# KiCad board element_foxtrot.kicad_pcb (continued)
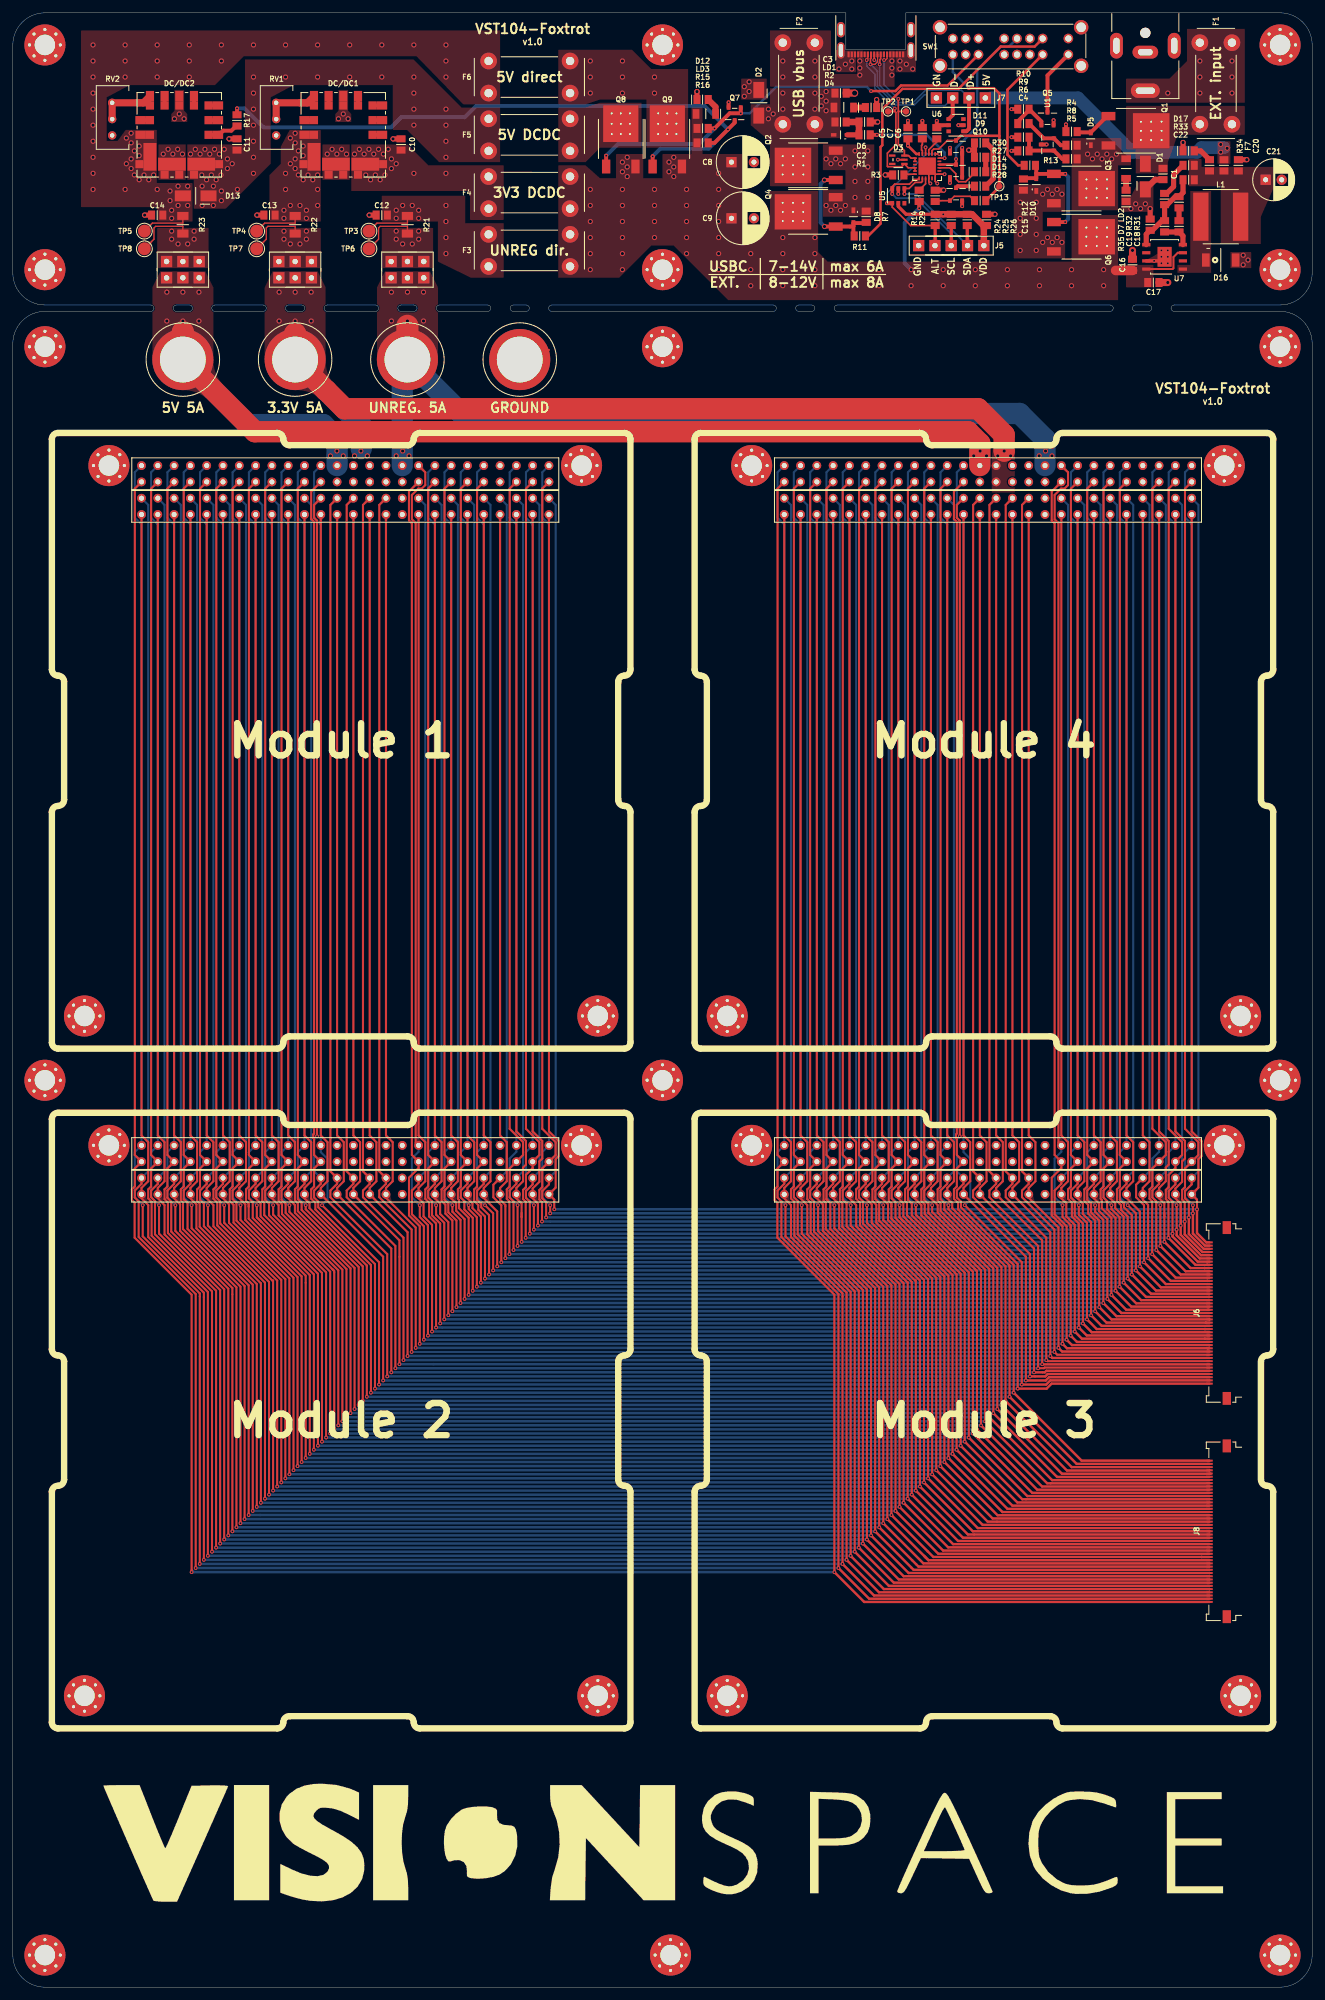
[diagram p0: board, top side]
## Copper pours and planes (outline as drawn; the poured copper is in the pictures) (continued)
/H2-42 on Bottom: 70.08,130.1 70.15,130.16 70.21,130.22 70.29,130.27 70.36,130.31 70.43,130.34 70.51,130.37 70.59,130.4 70.68,130.41 70.76,130.42 70.85,130.42 71.1,131.35 70.17,131.1 70.17,131.01 70.16,130.93 70.15,130.84 70.12,130.76 70.09,130.68 70.06,130.61 70.02,130.54 69.97,130.46 69.91,130.4 69.85,130.33
/H2-42 on Bottom: 170.86,132.36 170.86,132.27 170.85,132.18 170.84,132.1 170.81,132.02 170.78,131.94 170.75,131.86 170.71,131.79 170.66,131.72 170.61,131.66 170.55,131.59 171.03,130.76 171.5,131.59 171.44,131.66 171.39,131.72 171.34,131.79 171.3,131.86 171.27,131.94 171.24,132.02 171.21,132.1 171.2,132.18 171.19,132.27 171.19,132.36
/H2-42 on Bottom: 170.25,235.98 170.32,236.04 170.38,236.1 170.46,236.15 170.53,236.19 170.6,236.22 170.68,236.25 170.76,236.28 170.85,236.29 170.93,236.3 171.02,236.3 171.27,237.23 170.34,236.98 170.34,236.89 170.33,236.81 170.32,236.72 170.29,236.64 170.26,236.56 170.23,236.49 170.19,236.42 170.14,236.34 170.08,236.28 170.02,236.21
/H2-42 on Bottom: 170.25,130.1 170.32,130.16 170.38,130.22 170.46,130.27 170.53,130.31 170.6,130.34 170.68,130.37 170.76,130.4 170.85,130.41 170.93,130.42 171.02,130.42 171.27,131.35 170.34,131.1 170.34,131.01 170.33,130.93 170.32,130.84 170.29,130.76 170.26,130.68 170.23,130.61 170.19,130.54 170.14,130.46 170.08,130.4 170.02,130.33
/H2-43 on Top: 72.62,127.56 72.69,127.62 72.75,127.68 72.83,127.73 72.9,127.77 72.97,127.8 73.05,127.83 73.13,127.86 73.22,127.87 73.3,127.88 73.39,127.88 73.64,128.81 72.71,128.56 72.71,128.47 72.7,128.39 72.69,128.3 72.66,128.22 72.63,128.14 72.6,128.07 72.56,128 72.51,127.92 72.45,127.86 72.39,127.79
/H2-43 on Top: 72.62,233.44 72.69,233.5 72.75,233.56 72.83,233.61 72.9,233.65 72.97,233.68 73.05,233.71 73.13,233.74 73.22,233.75 73.3,233.76 73.39,233.76 73.64,234.69 72.71,234.44 72.71,234.35 72.7,234.27 72.69,234.18 72.66,234.1 72.63,234.02 72.6,233.95 72.56,233.88 72.51,233.8 72.45,233.74 72.39,233.67
/H2-43 on Top: 72.39,129.34 72.45,129.27 72.51,129.21 72.56,129.13 72.6,129.06 72.63,128.99 72.66,128.91 72.69,128.83 72.7,128.74 72.71,128.66 72.71,128.57 73.64,128.32 73.39,129.25 73.3,129.25 73.22,129.26 73.13,129.27 73.05,129.3 72.97,129.33 72.9,129.36 72.83,129.4 72.75,129.45 72.69,129.51 72.62,129.57
/H2-43 on Top: 172.79,127.56 172.86,127.62 172.92,127.68 173,127.73 173.07,127.77 173.14,127.8 173.22,127.83 173.3,127.86 173.39,127.87 173.47,127.88 173.56,127.88 173.81,128.81 172.88,128.56 172.88,128.47 172.87,128.39 172.86,128.3 172.83,128.22 172.8,128.14 172.77,128.07 172.73,128 172.68,127.92 172.62,127.86 172.56,127.79
/H2-43 on Top: 172.79,233.44 172.86,233.5 172.92,233.56 173,233.61 173.07,233.65 173.14,233.68 173.22,233.71 173.3,233.74 173.39,233.75 173.47,233.76 173.56,233.76 173.81,234.69 172.88,234.44 172.88,234.35 172.87,234.27 172.86,234.18 172.83,234.1 172.8,234.02 172.77,233.95 172.73,233.88 172.68,233.8 172.62,233.74 172.56,233.67
/H2-43 on Top: 172.56,129.34 172.62,129.27 172.68,129.21 172.73,129.13 172.77,129.06 172.8,128.99 172.83,128.91 172.86,128.83 172.87,128.74 172.88,128.66 172.88,128.57 173.81,128.32 173.56,129.25 173.47,129.25 173.39,129.26 173.3,129.27 173.22,129.3 173.14,129.33 173.07,129.36 173,129.4 172.92,129.45 172.86,129.51 172.79,129.57
/H2-44 on Bottom: 72.62,130.1 72.69,130.16 72.75,130.22 72.83,130.27 72.9,130.31 72.97,130.34 73.05,130.37 73.13,130.4 73.22,130.41 73.3,130.42 73.39,130.42 73.64,131.35 72.71,131.1 72.71,131.01 72.7,130.93 72.69,130.84 72.66,130.76 72.63,130.68 72.6,130.61 72.56,130.54 72.51,130.46 72.45,130.4 72.39,130.33
/H2-44 on Bottom: 72.62,235.98 72.69,236.04 72.75,236.1 72.83,236.15 72.9,236.19 72.97,236.22 73.05,236.25 73.13,236.28 73.22,236.29 73.3,236.3 73.39,236.3 73.64,237.23 72.71,236.98 72.71,236.89 72.7,236.81 72.69,236.72 72.66,236.64 72.63,236.56 72.6,236.49 72.56,236.42 72.51,236.34 72.45,236.28 72.39,236.21
/H2-44 on Bottom: 73.23,132.36 73.23,132.27 73.22,132.18 73.21,132.1 73.18,132.02 73.15,131.94 73.12,131.86 73.08,131.79 73.03,131.72 72.98,131.66 72.92,131.59 73.39,130.76 73.87,131.59 73.81,131.66 73.76,131.72 73.71,131.79 73.67,131.86 73.64,131.94 73.61,132.02 73.58,132.1 73.57,132.18 73.56,132.27 73.56,132.36
/H2-44 on Bottom: 172.79,130.1 172.86,130.16 172.92,130.22 173,130.27 173.07,130.31 173.14,130.34 173.22,130.37 173.3,130.4 173.39,130.41 173.47,130.42 173.56,130.42 173.81,131.35 172.88,131.1 172.88,131.01 172.87,130.93 172.86,130.84 172.83,130.76 172.8,130.68 172.77,130.61 172.73,130.54 172.68,130.46 172.62,130.4 172.56,130.33
/H2-44 on Bottom: 172.79,235.98 172.86,236.04 172.92,236.1 173,236.15 173.07,236.19 173.14,236.22 173.22,236.25 173.3,236.28 173.39,236.29 173.47,236.3 173.56,236.3 173.81,237.23 172.88,236.98 172.88,236.89 172.87,236.81 172.86,236.72 172.83,236.64 172.8,236.56 172.77,236.49 172.73,236.42 172.68,236.34 172.62,236.28 172.56,236.21
/H2-44 on Bottom: 173.4,132.36 173.4,132.27 173.39,132.18 173.38,132.1 173.35,132.02 173.32,131.94 173.29,131.86 173.25,131.79 173.2,131.72 173.15,131.66 173.09,131.59 173.56,130.76 174.04,131.59 173.98,131.66 173.93,131.72 173.88,131.79 173.84,131.86 173.81,131.94 173.78,132.02 173.75,132.1 173.74,132.18 173.73,132.27 173.73,132.36
/H2-47 on Top: 77.7,127.56 77.77,127.62 77.83,127.68 77.91,127.73 77.98,127.77 78.05,127.8 78.13,127.83 78.21,127.86 78.3,127.87 78.38,127.88 78.47,127.88 78.72,128.81 77.79,128.56 77.79,128.47 77.78,128.39 77.77,128.3 77.74,128.22 77.71,128.14 77.68,128.07 77.64,128 77.59,127.92 77.53,127.86 77.47,127.79
/H2-47 on Top: 77.7,233.44 77.77,233.5 77.83,233.56 77.91,233.61 77.98,233.65 78.05,233.68 78.13,233.71 78.21,233.74 78.3,233.75 78.38,233.76 78.47,233.76 78.72,234.69 77.79,234.44 77.79,234.35 77.78,234.27 77.77,234.18 77.74,234.1 77.71,234.02 77.68,233.95 77.64,233.88 77.59,233.8 77.53,233.74 77.47,233.67
/H2-47 on Top: 79.25,129.57 79.18,129.51 79.12,129.45 79.04,129.4 78.97,129.36 78.9,129.33 78.82,129.3 78.74,129.27 78.65,129.26 78.57,129.25 78.48,129.25 78.23,128.32 79.16,128.57 79.16,128.66 79.17,128.74 79.18,128.83 79.21,128.91 79.24,128.99 79.27,129.06 79.31,129.13 79.36,129.21 79.42,129.27 79.48,129.34
/H2-47 on Top: 177.87,127.56 177.94,127.62 178,127.68 178.08,127.73 178.15,127.77 178.22,127.8 178.3,127.83 178.38,127.86 178.47,127.87 178.55,127.88 178.64,127.88 178.89,128.81 177.96,128.56 177.96,128.47 177.95,128.39 177.94,128.3 177.91,128.22 177.88,128.14 177.85,128.07 177.81,128 177.76,127.92 177.7,127.86 177.64,127.79
/H2-47 on Top: 179.42,129.57 179.35,129.51 179.29,129.45 179.21,129.4 179.14,129.36 179.07,129.33 178.99,129.3 178.91,129.27 178.82,129.26 178.74,129.25 178.65,129.25 178.4,128.32 179.33,128.57 179.33,128.66 179.34,128.74 179.35,128.83 179.38,128.91 179.41,128.99 179.44,129.06 179.48,129.13 179.53,129.21 179.59,129.27 179.65,129.34
/H2-47 on Top: 177.87,233.44 177.94,233.5 178,233.56 178.08,233.61 178.15,233.65 178.22,233.68 178.3,233.71 178.38,233.74 178.47,233.75 178.55,233.76 178.64,233.76 178.89,234.69 177.96,234.44 177.96,234.35 177.95,234.27 177.94,234.18 177.91,234.1 177.88,234.02 177.85,233.95 177.81,233.88 177.76,233.8 177.7,233.74 177.64,233.67
/H2-48 on Bottom: 77.7,235.98 77.77,236.04 77.83,236.1 77.91,236.15 77.98,236.19 78.05,236.22 78.13,236.25 78.21,236.28 78.3,236.29 78.38,236.3 78.47,236.3 78.72,237.23 77.79,236.98 77.79,236.89 77.78,236.81 77.77,236.72 77.74,236.64 77.71,236.56 77.68,236.49 77.64,236.42 77.59,236.34 77.53,236.28 77.47,236.21
/H2-48 on Bottom: 78.31,132.36 78.31,132.27 78.3,132.18 78.29,132.1 78.26,132.02 78.23,131.94 78.2,131.86 78.16,131.79 78.11,131.72 78.06,131.66 78,131.59 78.47,130.76 78.95,131.59 78.89,131.66 78.84,131.72 78.79,131.79 78.75,131.86 78.72,131.94 78.69,132.02 78.66,132.1 78.65,132.18 78.64,132.27 78.64,132.36
/H2-48 on Bottom: 78.64,130.11 78.64,130.15 78.65,130.19 78.66,130.24 78.69,130.29 78.72,130.34 78.75,130.39 78.79,130.44 78.84,130.5 78.89,130.56 78.95,130.62 78.47,131.45 78,130.62 78.06,130.56 78.11,130.5 78.16,130.44 78.2,130.39 78.23,130.34 78.26,130.29 78.29,130.24 78.3,130.19 78.31,130.15 78.31,130.11
/H2-48 on Bottom: 177.87,235.98 177.94,236.04 178,236.1 178.08,236.15 178.15,236.19 178.22,236.22 178.3,236.25 178.38,236.28 178.47,236.29 178.55,236.3 178.64,236.3 178.89,237.23 177.96,236.98 177.96,236.89 177.95,236.81 177.94,236.72 177.91,236.64 177.88,236.56 177.85,236.49 177.81,236.42 177.76,236.34 177.7,236.28 177.64,236.21
/H2-48 on Bottom: 178.48,132.36 178.48,132.27 178.47,132.18 178.46,132.1 178.43,132.02 178.4,131.94 178.37,131.86 178.33,131.79 178.28,131.72 178.23,131.66 178.17,131.59 178.65,130.76 179.12,131.59 179.06,131.66 179.01,131.72 178.96,131.79 178.92,131.86 178.89,131.94 178.86,132.02 178.83,132.1 178.82,132.18 178.81,132.27 178.81,132.36
/H2-48 on Bottom: 178.81,130.11 178.81,130.15 178.82,130.19 178.83,130.24 178.86,130.29 178.89,130.34 178.92,130.39 178.96,130.44 179.01,130.5 179.06,130.56 179.12,130.62 178.65,131.45 178.17,130.62 178.23,130.56 178.28,130.5 178.33,130.44 178.37,130.39 178.4,130.34 178.43,130.29 178.46,130.24 178.47,130.19 178.48,130.15 178.48,130.11
/H2-49 on Top: 81.18,127.57 81.18,127.61 81.19,127.65 81.2,127.7 81.23,127.75 81.26,127.8 81.29,127.85 81.33,127.9 81.38,127.96 81.43,128.02 81.49,128.08 81.02,128.91 80.54,128.08 80.6,128.02 80.65,127.96 80.7,127.9 80.74,127.85 80.77,127.8 80.8,127.75 80.83,127.7 80.84,127.65 80.85,127.61 80.85,127.57
/H2-49 on Top: 80.24,233.44 80.31,233.5 80.37,233.56 80.45,233.61 80.52,233.65 80.59,233.68 80.67,233.71 80.75,233.74 80.84,233.75 80.92,233.76 81.01,233.76 81.26,234.69 80.33,234.44 80.33,234.35 80.32,234.27 80.31,234.18 80.28,234.1 80.25,234.02 80.22,233.95 80.18,233.88 80.13,233.8 80.07,233.74 80.01,233.67
/H2-49 on Top: 81.79,129.57 81.72,129.51 81.66,129.45 81.58,129.4 81.51,129.36 81.44,129.33 81.36,129.3 81.28,129.27 81.19,129.26 81.11,129.25 81.02,129.25 80.77,128.32 81.7,128.57 81.7,128.66 81.71,128.74 81.72,128.83 81.75,128.91 81.78,128.99 81.81,129.06 81.85,129.13 81.9,129.21 81.96,129.27 82.02,129.34
/H2-49 on Top: 180.41,233.44 180.48,233.5 180.54,233.56 180.62,233.61 180.69,233.65 180.76,233.68 180.84,233.71 180.92,233.74 181.01,233.75 181.09,233.76 181.18,233.76 181.43,234.69 180.5,234.44 180.5,234.35 180.49,234.27 180.48,234.18 180.45,234.1 180.42,234.02 180.39,233.95 180.35,233.88 180.3,233.8 180.24,233.74 180.18,233.67
/H2-49 on Top: 181.96,129.57 181.89,129.51 181.83,129.45 181.75,129.4 181.68,129.36 181.61,129.33 181.53,129.3 181.45,129.27 181.36,129.26 181.28,129.25 181.19,129.25 180.94,128.32 181.87,128.57 181.87,128.66 181.88,128.74 181.89,128.83 181.92,128.91 181.95,128.99 181.98,129.06 182.02,129.13 182.07,129.21 182.13,129.27 182.19,129.34
/H2-49 on Top: 181.35,127.57 181.35,127.61 181.36,127.65 181.37,127.7 181.4,127.75 181.43,127.8 181.46,127.85 181.5,127.9 181.55,127.96 181.6,128.02 181.66,128.08 181.19,128.91 180.71,128.08 180.77,128.02 180.82,127.96 180.87,127.9 180.91,127.85 180.94,127.8 180.97,127.75 181,127.7 181.01,127.65 181.02,127.61 181.02,127.57
/H2-50 on Bottom: 80.85,132.36 80.85,132.27 80.84,132.18 80.83,132.1 80.8,132.02 80.77,131.94 80.74,131.86 80.7,131.79 80.65,131.72 80.6,131.66 80.54,131.59 81.02,130.76 81.49,131.59 81.43,131.66 81.38,131.72 81.33,131.79 81.29,131.86 81.26,131.94 81.23,132.02 81.2,132.1 81.19,132.18 81.18,132.27 81.18,132.36
/H2-50 on Bottom: 80.24,235.98 80.31,236.04 80.37,236.1 80.45,236.15 80.52,236.19 80.59,236.22 80.67,236.25 80.75,236.28 80.84,236.29 80.92,236.3 81.01,236.3 81.26,237.23 80.33,236.98 80.33,236.89 80.32,236.81 80.31,236.72 80.28,236.64 80.25,236.56 80.22,236.49 80.18,236.42 80.13,236.34 80.07,236.28 80.01,236.21
/H2-50 on Bottom: 80.24,130.1 80.31,130.16 80.37,130.22 80.45,130.27 80.52,130.31 80.59,130.34 80.67,130.37 80.75,130.4 80.84,130.41 80.92,130.42 81.01,130.42 81.26,131.35 80.33,131.1 80.33,131.01 80.32,130.93 80.31,130.84 80.28,130.76 80.25,130.68 80.22,130.61 80.18,130.54 80.13,130.46 80.07,130.4 80.01,130.33
/H2-50 on Bottom: 181.02,132.36 181.02,132.27 181.01,132.18 181,132.1 180.97,132.02 180.94,131.94 180.91,131.86 180.87,131.79 180.82,131.72 180.77,131.66 180.71,131.59 181.19,130.76 181.66,131.59 181.6,131.66 181.55,131.72 181.5,131.79 181.46,131.86 181.43,131.94 181.4,132.02 181.37,132.1 181.36,132.18 181.35,132.27 181.35,132.36
/H2-50 on Bottom: 180.41,235.98 180.48,236.04 180.54,236.1 180.62,236.15 180.69,236.19 180.76,236.22 180.84,236.25 180.92,236.28 181.01,236.29 181.09,236.3 181.18,236.3 181.43,237.23 180.5,236.98 180.5,236.89 180.49,236.81 180.48,236.72 180.45,236.64 180.42,236.56 180.39,236.49 180.35,236.42 180.3,236.34 180.24,236.28 180.18,236.21
/H2-50 on Bottom: 180.41,130.1 180.48,130.16 180.54,130.22 180.62,130.27 180.69,130.31 180.76,130.34 180.84,130.37 180.92,130.4 181.01,130.41 181.09,130.42 181.18,130.42 181.43,131.35 180.5,131.1 180.5,131.01 180.49,130.93 180.48,130.84 180.45,130.76 180.42,130.68 180.39,130.61 180.35,130.54 180.3,130.46 180.24,130.4 180.18,130.33
/H2-51 on Top: 82.78,127.56 82.85,127.62 82.91,127.68 82.99,127.73 83.06,127.77 83.13,127.8 83.21,127.83 83.29,127.86 83.38,127.87 83.46,127.88 83.55,127.88 83.8,128.81 82.87,128.56 82.87,128.47 82.86,128.39 82.85,128.3 82.82,128.22 82.79,128.14 82.76,128.07 82.72,128 82.67,127.92 82.61,127.86 82.55,127.79
/H2-51 on Top: 82.78,233.44 82.85,233.5 82.91,233.56 82.99,233.61 83.06,233.65 83.13,233.68 83.21,233.71 83.29,233.74 83.38,233.75 83.46,233.76 83.55,233.76 83.8,234.69 82.87,234.44 82.87,234.35 82.86,234.27 82.85,234.18 82.82,234.1 82.79,234.02 82.76,233.95 82.72,233.88 82.67,233.8 82.61,233.74 82.55,233.67
/H2-51 on Top: 84.33,129.57 84.26,129.51 84.2,129.45 84.12,129.4 84.05,129.36 83.98,129.33 83.9,129.3 83.82,129.27 83.73,129.26 83.65,129.25 83.56,129.25 83.31,128.32 84.24,128.57 84.24,128.66 84.25,128.74 84.26,128.83 84.29,128.91 84.32,128.99 84.35,129.06 84.39,129.13 84.44,129.21 84.5,129.27 84.56,129.34
/H2-51 on Top: 182.95,233.44 183.02,233.5 183.08,233.56 183.16,233.61 183.23,233.65 183.3,233.68 183.38,233.71 183.46,233.74 183.55,233.75 183.63,233.76 183.72,233.76 183.97,234.69 183.04,234.44 183.04,234.35 183.03,234.27 183.02,234.18 182.99,234.1 182.96,234.02 182.93,233.95 182.89,233.88 182.84,233.8 182.78,233.74 182.72,233.67
/H2-51 on Top: 184.5,129.57 184.43,129.51 184.37,129.45 184.29,129.4 184.22,129.36 184.15,129.33 184.07,129.3 183.99,129.27 183.9,129.26 183.82,129.25 183.73,129.25 183.48,128.32 184.41,128.57 184.41,128.66 184.42,128.74 184.43,128.83 184.46,128.91 184.49,128.99 184.52,129.06 184.56,129.13 184.61,129.21 184.67,129.27 184.73,129.34
/H2-51 on Top: 182.95,127.56 183.02,127.62 183.08,127.68 183.16,127.73 183.23,127.77 183.3,127.8 183.38,127.83 183.46,127.86 183.55,127.87 183.63,127.88 183.72,127.88 183.97,128.81 183.04,128.56 183.04,128.47 183.03,128.39 183.02,128.3 182.99,128.22 182.96,128.14 182.93,128.07 182.89,128 182.84,127.92 182.78,127.86 182.72,127.79
/H2-52 on Bottom: 83.39,132.36 83.39,132.27 83.38,132.18 83.37,132.1 83.34,132.02 83.31,131.94 83.28,131.86 83.24,131.79 83.19,131.72 83.14,131.66 83.08,131.59 83.56,130.76 84.03,131.59 83.97,131.66 83.92,131.72 83.87,131.79 83.83,131.86 83.8,131.94 83.77,132.02 83.74,132.1 83.73,132.18 83.72,132.27 83.72,132.36
/H2-52 on Bottom: 82.78,235.98 82.85,236.04 82.91,236.1 82.99,236.15 83.06,236.19 83.13,236.22 83.21,236.25 83.29,236.28 83.38,236.29 83.46,236.3 83.55,236.3 83.8,237.23 82.87,236.98 82.87,236.89 82.86,236.81 82.85,236.72 82.82,236.64 82.79,236.56 82.76,236.49 82.72,236.42 82.67,236.34 82.61,236.28 82.55,236.21
/H2-52 on Bottom: 82.78,130.1 82.85,130.16 82.91,130.22 82.99,130.27 83.06,130.31 83.13,130.34 83.21,130.37 83.29,130.4 83.38,130.41 83.46,130.42 83.55,130.42 83.8,131.35 82.87,131.1 82.87,131.01 82.86,130.93 82.85,130.84 82.82,130.76 82.79,130.68 82.76,130.61 82.72,130.54 82.67,130.46 82.61,130.4 82.55,130.33
/H2-52 on Bottom: 182.95,235.98 183.02,236.04 183.08,236.1 183.16,236.15 183.23,236.19 183.3,236.22 183.38,236.25 183.46,236.28 183.55,236.29 183.63,236.3 183.72,236.3 183.97,237.23 183.04,236.98 183.04,236.89 183.03,236.81 183.02,236.72 182.99,236.64 182.96,236.56 182.93,236.49 182.89,236.42 182.84,236.34 182.78,236.28 182.72,236.21
/H2-52 on Bottom: 183.56,132.36 183.56,132.27 183.55,132.18 183.54,132.1 183.51,132.02 183.48,131.94 183.45,131.86 183.41,131.79 183.36,131.72 183.31,131.66 183.25,131.59 183.72,130.76 184.2,131.59 184.14,131.66 184.09,131.72 184.04,131.79 184,131.86 183.97,131.94 183.94,132.02 183.91,132.1 183.9,132.18 183.89,132.27 183.89,132.36
/H2-52 on Bottom: 182.95,130.1 183.02,130.16 183.08,130.22 183.16,130.27 183.23,130.31 183.3,130.34 183.38,130.37 183.46,130.4 183.55,130.41 183.63,130.42 183.72,130.42 183.97,131.35 183.04,131.1 183.04,131.01 183.03,130.93 183.02,130.84 182.99,130.76 182.96,130.68 182.93,130.61 182.89,130.54 182.84,130.46 182.78,130.4 182.72,130.33
/PDO2 on Top: 153.13,279.47 153.21,279.57 153.28,279.66 153.35,279.74 153.42,279.81 153.48,279.87 153.54,279.92 153.59,279.95 153.64,279.98 153.69,280 153.74,280 153.92,280.68 153.24,280.5 153.24,280.45 153.22,280.4 153.21,280.34 153.18,280.28 153.14,280.2 153.1,280.13 153.05,280.04 152.99,279.95 152.92,279.86 152.85,279.75
/PDO2 on Bottom: 146.69,299.65 146.69,299.74 146.7,299.84 146.72,299.93 146.74,300.01 146.77,300.1 146.81,300.18 146.85,300.25 146.9,300.33 146.96,300.4 147.03,300.46 146.5,301.38 145.97,300.46 146.04,300.4 146.1,300.33 146.15,300.25 146.19,300.18 146.23,300.1 146.26,300.01 146.28,299.93 146.3,299.84 146.31,299.74 146.31,299.65
/RST on Top: 140.02,282.5 139.92,282.47 139.83,282.46 139.74,282.46 139.66,282.46 139.58,282.47 139.51,282.49 139.44,282.51 139.38,282.55 139.32,282.59 139.27,282.63 138.6,282.25 139.27,281.87 139.32,281.92 139.38,281.96 139.44,282.01 139.51,282.05 139.58,282.09 139.66,282.13 139.74,282.16 139.83,282.19 139.92,282.22 140.02,282.25
/SCL on Top: 146,272.76 146,272.65 145.99,272.55 145.97,272.46 145.94,272.36 145.91,272.27 145.87,272.19 145.82,272.1 145.77,272.02 145.71,271.95 145.64,271.87 146.25,270.81 146.86,271.87 146.79,271.95 146.73,272.02 146.68,272.1 146.63,272.19 146.59,272.27 146.56,272.36 146.53,272.46 146.51,272.55 146.5,272.65 146.5,272.76
/SCL on Bottom: 146.1,273 146.1,272.87 146.08,272.74 146.06,272.62 146.03,272.5 145.98,272.38 145.93,272.27 145.87,272.17 145.8,272.06 145.73,271.97 145.64,271.87 146.25,270.81 146.86,271.87 146.77,271.97 146.7,272.06 146.63,272.17 146.57,272.27 146.52,272.38 146.47,272.5 146.44,272.62 146.42,272.74 146.4,272.87 146.4,273
/SDA on Top: 148.5,272.8 148.5,272.69 148.5,272.58 148.49,272.48 148.47,272.38 148.44,272.28 148.4,272.19 148.36,272.11 148.31,272.03 148.25,271.95 148.18,271.87 148.79,270.81 149.4,271.87 149.33,271.95 149.27,272.03 149.21,272.11 149.16,272.19 149.12,272.28 149.08,272.38 149.05,272.48 149.03,272.58 149.01,272.69 149,272.8
/SDA on Bottom: 147.45,272.38 147.54,272.28 147.62,272.18 147.69,272.08 147.75,271.97 147.8,271.86 147.84,271.75 147.88,271.63 147.9,271.51 147.91,271.39 147.92,271.26 149.1,270.94 148.78,272.12 148.65,272.13 148.53,272.14 148.41,272.16 148.29,272.2 148.18,272.24 148.07,272.29 147.96,272.35 147.86,272.42 147.76,272.5 147.66,272.59
/SUP_3V3 on Top: 50,249.84 49.76,250.1 49.54,250.39 49.35,250.7 49.19,251.03 49.05,251.38 48.94,251.75 48.86,252.14 48.8,252.56 48.76,252.99 48.75,253.45 42.31,255.18 44.04,248.74 44.5,248.73 44.94,248.7 45.35,248.64 45.75,248.55 46.12,248.44 46.47,248.3 46.8,248.14 47.11,247.95 47.39,247.74 47.66,247.5
/SUP_3V3 on Top: 156.16,232.78 152.56,232.78 152.55,237.87 152.84,240.64 156.16,240.64
/SUP_3V3 on Top: 48.75,253.5 39.25,253.5 39.25,264.75 40.5,267.25 47.5,267.25 48.75,264.75
/SUP_3V3 on Bottom: 50.46,249.37 50.13,249.73 49.84,250.09 49.58,250.47 49.36,250.86 49.17,251.26 49.02,251.67 48.9,252.1 48.82,252.54 48.77,252.99 48.75,253.45 42.31,255.18 44.04,248.74 44.51,248.73 44.96,248.68 45.39,248.6 45.82,248.48 46.23,248.32 46.64,248.14 47.03,247.91 47.4,247.65 47.77,247.36 48.12,247.03
/SUP_3V3 on Bottom: 157.45,237.87 157.45,127.68 152.56,127.68 152.56,237.87 152.81,240.64 156.13,240.64
/SUP_3V3 on Bottom: 57.28,237.87 57.28,127.68 52.39,127.68 52.39,237.87 52.64,240.64 55.96,240.64
/SUP_3V3 on In1.Cu: 157.45,237.87 157.45,127.68 152.56,127.68 152.56,237.87 152.81,240.64 156.13,240.64
/SUP_3V3 on In1.Cu: 57.28,237.87 57.28,127.68 52.39,127.68 52.39,237.87 52.64,240.64 55.96,240.64
/SUP_3V3 on In1.Cu: 48.75,253.5 39.25,253.5 39.25,264.75 40.5,267.25 47.5,267.25 48.75,264.75
/SUP_5V on Top: 32.96,249.37 32.63,249.73 32.34,250.09 32.08,250.47 31.86,250.86 31.67,251.26 31.52,251.67 31.4,252.1 31.32,252.54 31.27,252.99 31.25,253.45 24.81,255.18 26.54,248.74 27.01,248.73 27.46,248.68 27.89,248.6 28.32,248.48 28.73,248.32 29.14,248.14 29.53,247.91 29.9,247.65 30.27,247.36 30.62,247.03
/SUP_5V on Top: 31.25,253.5 21.75,253.5 21.75,264.75 23,267.25 30,267.25 31.25,264.75
/SUP_5V on Bottom: 32.96,249.37 32.63,249.73 32.34,250.09 32.08,250.47 31.86,250.86 31.67,251.26 31.52,251.67 31.4,252.1 31.32,252.54 31.27,252.99 31.25,253.45 24.81,255.18 26.54,248.74 27.01,248.73 27.46,248.68 27.89,248.6 28.32,248.48 28.73,248.32 29.14,248.14 29.53,247.91 29.9,247.65 30.27,247.36 30.62,247.03
/SUP_5V on Bottom: 152.36,127.68 149.04,127.68 149.04,240.64 152.37,240.64
/SUP_5V on Bottom: 52.19,127.68 48.87,127.68 48.87,240.64 52.2,240.64
/SUP_5V on In1.Cu: 152.36,127.68 149.04,127.68 149.04,240.64 152.37,240.64
/SUP_5V on In1.Cu: 52.19,127.68 48.87,127.68 48.87,240.64 52.2,240.64
/SUP_5V on In1.Cu: 31.25,253.5 22,253.5 21.75,264.75 23,267.25 30,267.25 31.25,264.75
/SUP_BAT_1 on In1.Cu: 175.2,234.8 175.25,234.76 175.28,234.71 175.32,234.68 175.34,234.64 175.37,234.6 175.39,234.57 175.4,234.54 175.41,234.51 175.42,234.48 175.42,234.45 176.35,234.2 176.1,235.13 176.07,235.13 176.04,235.14 176.01,235.15 175.98,235.16 175.95,235.18 175.91,235.21 175.87,235.23 175.84,235.27 175.79,235.3 175.75,235.35
/SUP_BAT_1 on In1.Cu: 76.29,235.35 76.25,235.3 76.2,235.27 76.17,235.23 76.13,235.21 76.09,235.18 76.06,235.16 76.03,235.15 76,235.14 75.97,235.13 75.94,235.13 75.69,234.2 76.62,234.45 76.62,234.48 76.63,234.51 76.64,234.54 76.65,234.57 76.67,234.6 76.7,234.64 76.72,234.68 76.76,234.71 76.79,234.76 76.84,234.8
/SUP_BAT_1 on In1.Cu: 175.2,128.92 175.25,128.88 175.28,128.83 175.32,128.8 175.34,128.76 175.37,128.72 175.39,128.69 175.4,128.66 175.41,128.63 175.42,128.6 175.42,128.57 176.35,128.32 176.1,129.25 176.07,129.25 176.04,129.26 176.01,129.27 175.98,129.28 175.95,129.3 175.91,129.33 175.87,129.35 175.84,129.39 175.79,129.42 175.75,129.47
/SUP_BAT_1 on In1.Cu: 175.75,233.54 175.79,233.59 175.84,233.62 175.87,233.66 175.91,233.68 175.95,233.71 175.98,233.73 176.01,233.74 176.04,233.75 176.07,233.76 176.1,233.76 176.35,234.69 175.42,234.44 175.42,234.41 175.41,234.38 175.4,234.35 175.39,234.32 175.37,234.29 175.34,234.25 175.32,234.21 175.28,234.18 175.25,234.13 175.2,234.09
/SUP_BAT_1 on In1.Cu: 76.84,234.09 76.79,234.13 76.76,234.18 76.72,234.21 76.7,234.25 76.67,234.29 76.65,234.32 76.64,234.35 76.63,234.38 76.62,234.41 76.62,234.44 75.69,234.69 75.94,233.76 75.97,233.76 76,233.75 76.03,233.74 76.06,233.73 76.09,233.71 76.13,233.68 76.17,233.66 76.2,233.62 76.25,233.59 76.29,233.54
/SUP_BAT_1 on In1.Cu: 76.29,129.47 76.25,129.42 76.2,129.39 76.17,129.35 76.13,129.33 76.09,129.3 76.06,129.28 76.03,129.27 76,129.26 75.97,129.25 75.94,129.25 75.69,128.32 76.62,128.57 76.62,128.6 76.63,128.63 76.64,128.66 76.65,128.69 76.67,128.72 76.7,128.76 76.72,128.8 76.76,128.83 76.79,128.88 76.84,128.92
/SUP_BAT_2 on In1.Cu: 175.2,237.95 175.25,237.79 175.28,237.65 175.32,237.52 175.34,237.4 175.37,237.3 175.39,237.21 175.4,237.13 175.41,237.07 175.42,237.02 175.42,236.99 176.35,236.74 176.1,237.67 176.07,237.68 176.04,237.7 176.01,237.74 175.98,237.8 175.95,237.87 175.91,237.97 175.87,238.07 175.84,238.2 175.79,238.34 175.75,238.5
/SUP_BAT_2 on In1.Cu: 76.29,238.5 76.25,238.34 76.2,238.2 76.17,238.07 76.13,237.97 76.09,237.87 76.06,237.8 76.03,237.74 76,237.7 75.97,237.68 75.94,237.67 75.69,236.74 76.62,236.99 76.62,237.02 76.63,237.07 76.64,237.13 76.65,237.21 76.67,237.3 76.7,237.4 76.72,237.52 76.76,237.65 76.79,237.79 76.84,237.95
/SUP_BAT_2 on In1.Cu: 177.01,236.63 176.96,236.67 176.93,236.72 176.89,236.75 176.87,236.79 176.84,236.83 176.82,236.86 176.81,236.89 176.8,236.92 176.79,236.95 176.79,236.98 175.86,237.23 176.11,236.3 176.14,236.3 176.17,236.29 176.2,236.28 176.23,236.27 176.26,236.25 176.3,236.22 176.34,236.2 176.37,236.16 176.42,236.13 176.46,236.08
/SUP_BAT_2 on In1.Cu: 176.46,132.01 176.42,131.96 176.37,131.93 176.34,131.89 176.3,131.87 176.26,131.84 176.23,131.82 176.2,131.81 176.17,131.8 176.14,131.79 176.11,131.79 175.86,130.86 176.79,131.11 176.79,131.14 176.8,131.17 176.81,131.2 176.82,131.23 176.84,131.26 176.87,131.3 176.89,131.34 176.93,131.37 176.96,131.42 177.01,131.46